# KiCad board main_board.kicad_pcb
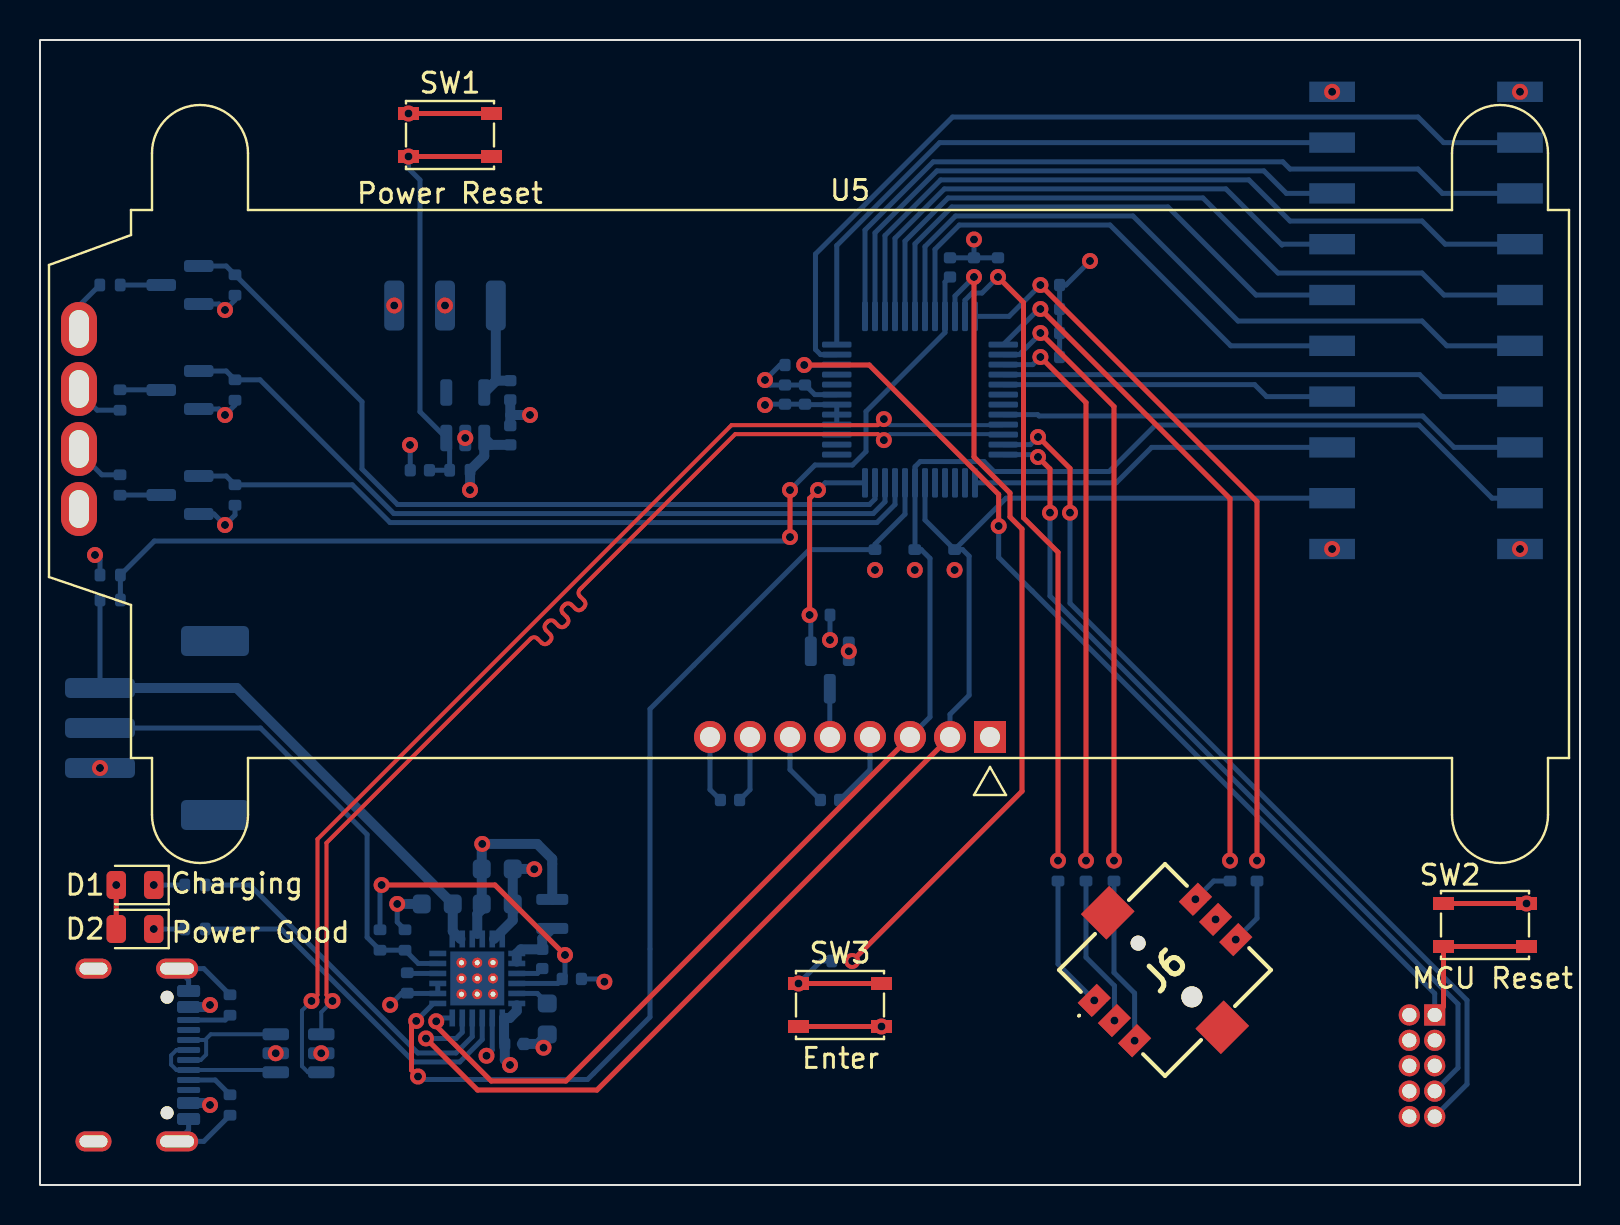
[diagram p0: board, top side]
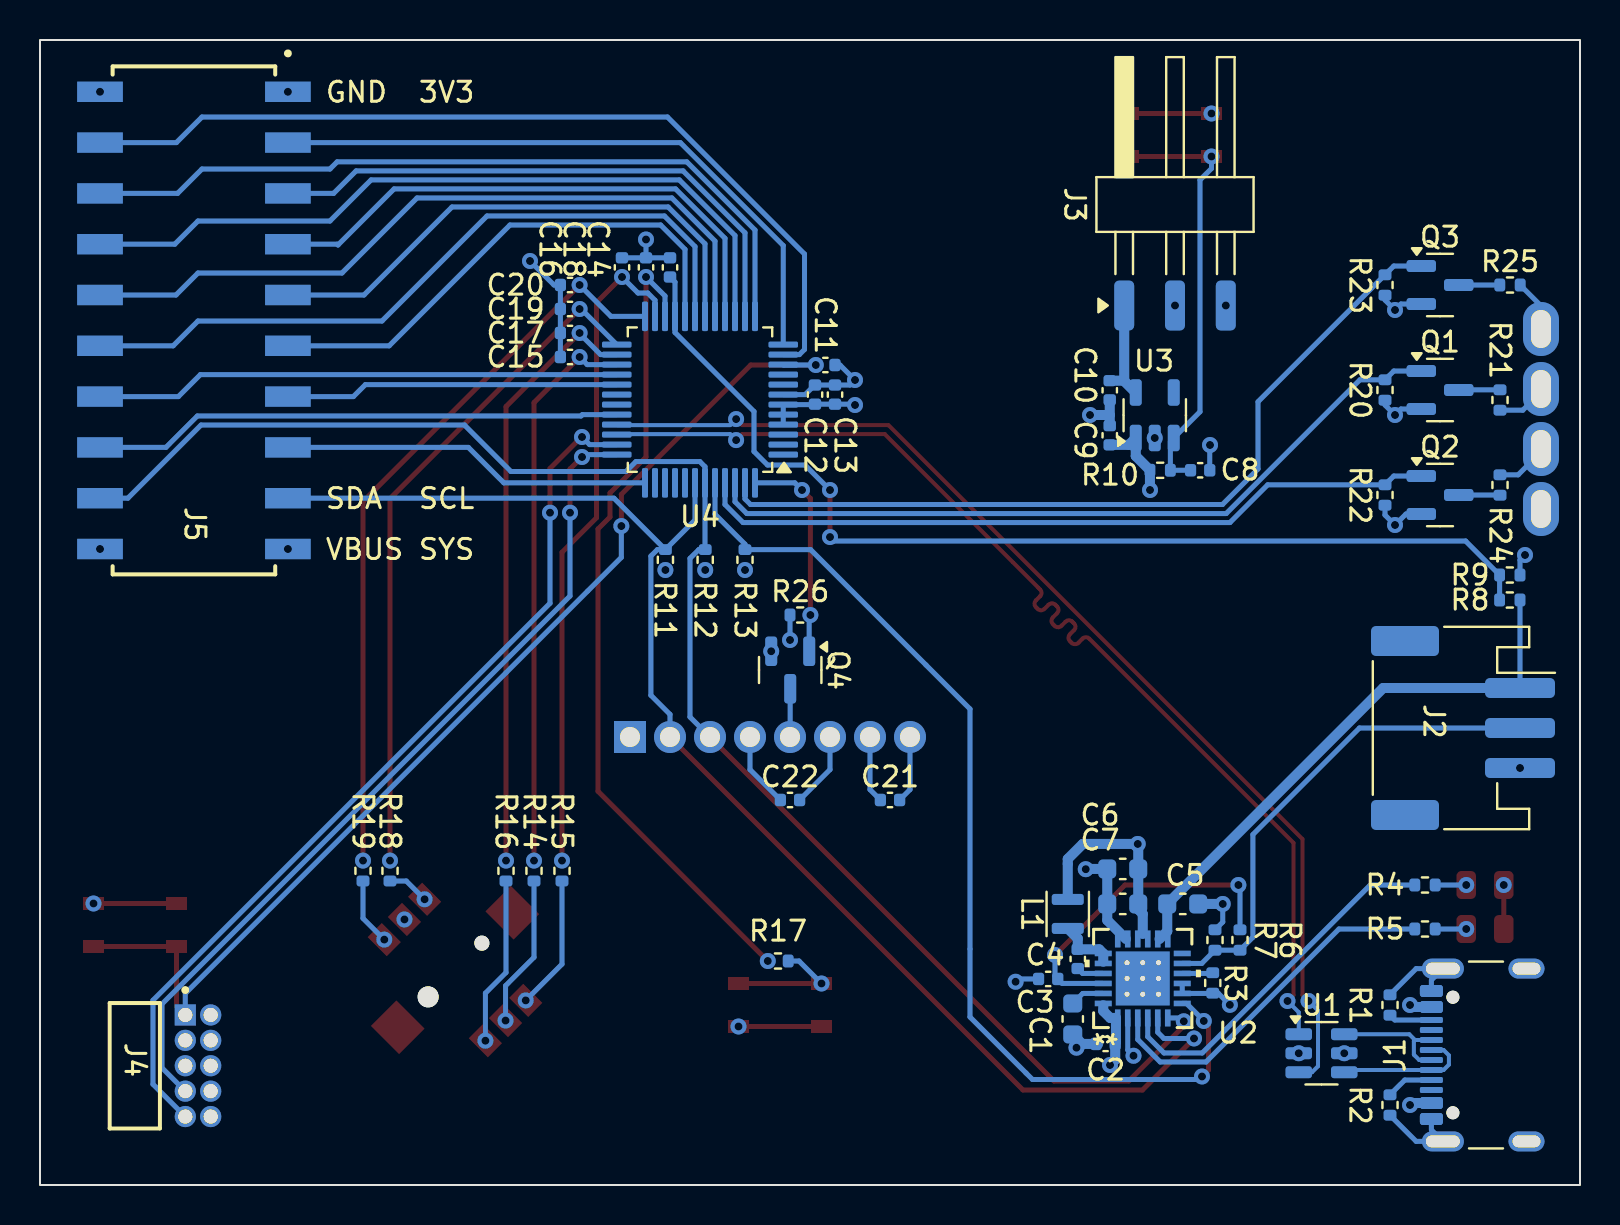
[diagram p1: board, bottom side, seen from below]

Outline 77 x 57.25 mm; copper layers: Top, Pwr.Cu (plane), Gnd.Cu (plane), Bottom. Coordinates in mm from the lower left corner of the outline.
Outline path: rectangle 0,57.25 77,0
Stack: Top 0.035mm / dielectric 0.1mm FR4 er 4.5 / Pwr.Cu 0.035mm / dielectric 1.24mm FR4 er 4.5 / Gnd.Cu 0.035mm / dielectric 0.1mm FR4 er 4.5 / Bottom 0.035mm

## Placement (name value [footprint] x y rotation side)
C1  10u  [C_0603_1608Metric]  25.36 8.3 270 bottom
C2  1u  [C_0402_1005Metric]  23.72 7.05 180 bottom
C3  4u7  [C_0402_1005Metric]  26.59 10.3 0 bottom
C4  47n  [C_0402_1005Metric]  25.11 11.3 270 bottom
C5  10u  [C_0603_1608Metric]  19.86 14.05 180 bottom
C6  10u  [C_0603_1608Metric]  22.86 15.8 180 bottom
C7  10u  [C_0603_1608Metric]  22.86 14.05 180 bottom
C8  1u  [C_0402_1005Metric]  18.99 35.74 180 bottom
C9  1u  [C_0402_1005Metric]  23.51 37.49 270 bottom
C10  1u  [C_0402_1005Metric]  23.51 39.74 90 bottom
C11  100n  [C_0402_1005Metric]  37.73 41 180 bottom
C12  4u7  [C_0402_1005Metric]  38.25 39.52 90 bottom
C13  100n  [C_0402_1005Metric]  37.25 39.52 90 bottom
C14  1u  [C_0402_1005Metric]  45.5 45.88 270 bottom
C15  470n  [C_0402_1005Metric]  50.5 41.4 0 bottom
C16  470n  [C_0402_1005Metric]  47.9 45.88 90 bottom
C17  470n  [C_0402_1005Metric]  50.5 42.6 180 bottom
C18  470n  [C_0402_1005Metric]  46.7 45.88 90 bottom
C19  470n  [C_0402_1005Metric]  50.5 43.8 0 bottom
C20  470n  [C_0402_1005Metric]  50.5 45 180 bottom
C21  1u  [C_0402_1005Metric]  34.5 19.25 180 bottom
C22  1u  [C_0402_1005Metric]  39.5 19.25 180 bottom
D1  Red  [LED_0805_2012Metric]  4.75 15 180 top
D2  Green  [LED_0805_2012Metric]  4.75 12.8 180 top
J1  USB_C_Receptacle_USB2.0_16P  [USB_C_Receptacle_GCT_USB4105-xx-A_16P_TopMnt_Horizontal]  3.75 6.5 90 bottom
J2  Conn_01x03  [JST_PH_S3B-PH-SM4-TB_1x03-1MP_P2.00mm_Horizontal]  5.85 22.85 270 bottom
J3  Conn_01x03  [Harwin_M20-89003xx_1x03_P2.54mm_Horizontal]  20.25 49.5 90 bottom
J4  Conn_02x05_Odd_Even  [SAMTEC_FTSH-105-01-L-D-RA-K]  69.74 8.5 90 bottom
J5  Conn_02x10_Odd_Even  [SAMTEC_SSM-110-F-DH]  69.3 43.23 90 bottom
J6  2434804-1  [TE_24348041]  56.25 10.75 45 top
L1  1uH  [L_Murata_DFE201610P]  25.61 13.55 90 bottom
Q1  AO3400A  [SOT-23]  7 39.75 180 bottom
Q2  AO3400A  [SOT-23]  7 34.5 180 bottom
Q3  AO3400A  [SOT-23]  7 45 180 bottom
Q4  AO3401A  [SOT-23]  39.49 25.75 270 bottom
R1  5k1  [R_0402_1005Metric]  9.5 9 270 bottom
R2  5k1  [R_0402_1005Metric]  9.5 4 90 bottom
R3  240  [R_0402_1005Metric]  18.36 10.1 90 bottom
R4  470  [R_0402_1005Metric]  7.75 15 0 bottom
R5  220  [R_0402_1005Metric]  7.75 12.8 0 bottom
R6  5k25 (5k23)  [R_0402_1005Metric]  17 12.25 270 bottom
R7  31k23 (31k6)  [R_0402_1005Metric]  18.25 12.25 90 bottom
R8  100k  [R_0402_1005Metric]  3.51 29.25 0 bottom
R9  200k  [R_0402_1005Metric]  3.51 30.5 180 bottom
R10  10k  [R_0402_1005Metric]  20.99 35.74 180 bottom
R11  10k  [R_0402_1005Metric]  45.73 31.26 90 bottom
R12  10k  [R_0402_1005Metric]  43.74 31.26 90 bottom
R13  10k  [R_0402_1005Metric]  41.75 31.26 90 bottom
R14  10k  [R_0402_1005Metric]  52.3 15.71 270 bottom
R15  10k  [R_0402_1005Metric]  50.9 15.71 270 bottom
R16  10k  [R_0402_1005Metric]  53.7 15.71 90 bottom
R17  10k  [R_0402_1005Metric]  40.1 11.2 0 bottom
R18  10k  [R_0402_1005Metric]  59.5 15.71 270 bottom
R19  10k  [R_0402_1005Metric]  60.85 15.71 270 bottom
R20  1M  [R_0402_1005Metric]  9.75 39.75 270 bottom
R21  20  [R_0402_1005Metric]  4 39.25 270 bottom
R22  1M  [R_0402_1005Metric]  9.75 34.5 270 bottom
R23  1M  [R_0402_1005Metric]  9.75 45 270 bottom
R24  20  [R_0402_1005Metric]  4 35 90 bottom
R25  70  [R_0402_1005Metric]  3.5 45 180 bottom
R26  1M  [R_0402_1005Metric]  38.99 28.5 180 bottom
SW1  SW_Push  [SW_SPST_PTS810]  20.5 52.5 0 top
SW2  SW_Push  [SW_SPST_PTS810]  72.25 13 0 top
SW3  SW_Push  [SW_SPST_PTS810]  40 9 0 top
U1  USBLC6-2SC6  [SOT-23-6]  12.92 6.59 180 bottom
U2  BQ24259RGER  [RGE24_2P7X2P7_TEX]  21.86 10.33 90 bottom
U3  TPS7A0533PDBV  [SOT-23-5]  21.26 38.49 90 bottom
U4  STM32G0B1CBTx  [LQFP-48_7x7mm_P0.5mm]  44 39.27 0 bottom
U5  NHD-C0220BIZ-FSRGB  [NHD-C0220BiZ-FSRGB_no_mount]  40.5 38.3 0 top

## Library data of the parts
C1 C5-C7 = -: Description: Unpolarized capacitor; JLCPCB: C19702; ki_fp_filters: C_*
C2 C8-C10 C14 C21 C22 = -: Description: Unpolarized capacitor; JLCPCB: C52923; ki_fp_filters: C_*
C3 = -: Description: Unpolarized capacitor; JLCPCB: C23733; ki_fp_filters: C_*
C4 = -: Description: Unpolarized capacitor; JLCPCB: C384812; ki_fp_filters: C_*
C11 C13 = -: Description: Unpolarized capacitor, small symbol; JLCPCB: C1525; ki_fp_filters: C_*
C12 = -: Description: Unpolarized capacitor, small symbol; JLCPCB: C23733; ki_fp_filters: C_*
C15-C20 = -: Description: Unpolarized capacitor; JLCPCB: C47339; ki_fp_filters: C_*
D1 = -: Description: Light emitting diode; JLCPCB: C2286; ki_fp_filters: LED* LED_SMD:* LED_THT:*
D2 = -: Description: Light emitting diode; JLCPCB: C72043; ki_fp_filters: LED* LED_SMD:* LED_THT:*
J1 = -: ki_fp_filters: USB*C*Receptacle*
J2 = -: ki_fp_filters: Connector*:*_1x??_*
J3 = -: Description: Generic connector, single row, 01x03, script generated (kicad-library-utils/schlib/autogen/connector/); Function: Optional external power supply: either connect LDO to 3V3, or connect ext to 3V3 and GND.; ki_fp_filters: Connector*:*_1x??_*
J4 = -: ki_fp_filters: Connector*:*_2x??_*
J5 = -: Description: Generic connector, double row, 02x10, odd/even pin numbering scheme (row 1 odd numbers, row 2 even numbers), script generated (kicad-library-utils/schlib/autogen/connector/); ki_fp_filters: Connector*:*_2x??_*
J6 = -: Datasheet: https://www.te.com/commerce/DocumentDelivery/DDEController?Action=srchrtrv&DocNm=alcoswitch-tactile-switches&DocType=Data%20Sheet&DocLang=English&PartCntxt=2434804-1&DocFormat=pdf; Description: Body Features: Actuator Color Black | Actuator Force 8.46  12.7 OZ | Actuator Force 240  360 G | Case Color Black | Actuator Material PPA | Cover Material Stainless Steel | Actuator Profile Extended | Product Orientation Vertical | Case Material Stainless Steel | Configuration Features: Number of Actuators Single | Configuration (Pole-Throw) Single Pole - Five Throw | Switch Feedback Type Tactile | ESD Grounding Terminal Without | Ganged With | Support Bracket Without | Operating Function NO | Contact; Height: 5.7; Manufacturer_Name: TE Connectivity
L1 = -: Description: Inductor; ki_fp_filters: Choke_* *Coil* Inductor_* L_*
Q1-Q4 U1 U3 = -: ki_fp_filters: SOT?23*
R1 R2 = -: Description: Resistor; JLCPCB: C25905; ki_fp_filters: R_*
R3 R5 = -: Description: Resistor; JLCPCB: C25091; ki_fp_filters: R_*
R4 = -: Description: Resistor; JLCPCB: C25117; ki_fp_filters: R_*
R6 = -: Description: Resistor; JLCPCB: C852857; ki_fp_filters: R_*
R7 = -: Description: Resistor; JLCPCB: C852720; ki_fp_filters: R_*
R8 = -: Description: Resistor; JLCPCB: C25741; ki_fp_filters: R_*
R9 = -: Description: Resistor; JLCPCB: C25764; ki_fp_filters: R_*
R10-R19 = -: Description: Resistor; JLCPCB: C25744; ki_fp_filters: R_*
R20 R22 R23 R26 = -: Description: Resistor; JLCPCB: C26083; ki_fp_filters: R_*
R21 R24 = -: Description: Resistor; JLCPCB: C25092; ki_fp_filters: R_*
R25 = -: Description: Resistor; JLCPCB: C25133; ki_fp_filters: R_*
SW1 = -: Description: Push button switch, generic, two pins; Function: 3V3 LDO reset
SW2 SW3 = -: Description: Push button switch, generic, two pins
U2 = -: ki_fp_filters: RGE24_2P7X2P7_TEX
U4 = -: ki_fp_filters: LQFP*7x7mm*P0.5mm*
U5 = -: ki_fp_filters: NHD?C0220BiZ?FSRGB*

## Footprints (pads in the part's own frame, mm; a bottom-side part is the same pattern mirrored in y, then rotated)
C_0402_1005Metric
  rrect 0.56x0.62 smd: 1(-0.48,0) 2(0.48,0)
C_0603_1608Metric
  rrect 0.9x0.95 smd: 1(-0.775,0) 2(0.775,0)
Harwin_M20-89003xx_1x03_P2.54mm_Horizontal
  rrect 2.5x1 smd: 1(-5.525,2.54) 2(-5.525,0) 3(-5.525,-2.54)
JST_PH_S3B-PH-SM4-TB_1x03-1MP_P2.00mm_Horizontal
  rrect 1x3.5 smd: 1(-2,2.85) 2(0,2.85) 3(2,2.85)
  rrect 1.5x3.4 smd: MP(-4.35,-2.9) MP(4.35,-2.9)
L_Murata_DFE201610P
  rrect 0.55x1.6 smd: 1(-0.725,0) 2(0.725,0)
LED_0805_2012Metric
  rrect 0.975x1.4 smd: 1(-0.938,0) 2(0.938,0)
LQFP-48_7x7mm_P0.5mm
  rrect 1.475x0.3 smd: 1(-4.162,2.75) 2(-4.162,2.25) 3(-4.162,1.75) 4(-4.162,1.25) 5(-4.162,0.75) 6(-4.162,0.25) 7(-4.162,-0.25) 8(-4.162,-0.75) 9(-4.162,-1.25) 10(-4.162,-1.75) 11(-4.162,-2.25) 12(-4.162,-2.75) 25(4.162,-2.75) 26(4.162,-2.25) 27(4.162,-1.75) 28(4.162,-1.25) 29(4.162,-0.75) 30(4.162,-0.25) 31(4.162,0.25) 32(4.162,0.75) 33(4.162,1.25) 34(4.162,1.75) 35(4.162,2.25) 36(4.162,2.75)
  rrect 0.3x1.475 smd: 13(-2.75,-4.162) 14(-2.25,-4.162) 15(-1.75,-4.162) 16(-1.25,-4.162) 17(-0.75,-4.162) 18(-0.25,-4.162) 19(0.25,-4.162) 20(0.75,-4.162) 21(1.25,-4.162) 22(1.75,-4.162) 23(2.25,-4.162) 24(2.75,-4.162) 37(2.75,4.162) 38(2.25,4.162) 39(1.75,4.162) 40(1.25,4.162) 41(0.75,4.162) 42(0.25,4.162) 43(-0.25,4.162) 44(-0.75,4.162) 45(-1.25,4.162) 46(-1.75,4.162) 47(-2.25,4.162) 48(-2.75,4.162)
NHD-C0220BiZ-FSRGB_no_mount
  rect 1.6x1.6 hole 1: 1(7,-15.9)
  round 1.6 hole 1: 2(5,-15.9) 3(3,-15.9) 4(1,-15.9) 5(-1,-15.9) 6(-3,-15.9) 7(-5,-15.9) 8(-7,-15.9)
  oval 1.8x2.7 hole 1x1.9: 9(-38.55,-4.5) 10(-38.55,-1.5) 11(-38.55,1.5) 12(-38.55,4.5)
R_0402_1005Metric
  rrect 0.54x0.64 smd: 1(-0.51,0) 2(0.51,0)
RGE24_2P7X2P7_TEX
  rect 0.85x0.28 smd: 1(-1.975,1.25) 2(-1.975,0.75) 3(-1.975,0.25) 4(-1.975,-0.25) 5(-1.975,-0.75) 6(-1.975,-1.25) 13(1.975,-1.25) 14(1.975,-0.75) 15(1.975,-0.25) 16(1.975,0.25) 17(1.975,0.75) 18(1.975,1.25)
  rect 0.28x0.85 smd: 7(-1.25,-1.975) 8(-0.75,-1.975) 9(-0.25,-1.975) 10(0.25,-1.975) 11(0.75,-1.975) 12(1.25,-1.975) 19(1.25,1.975) 20(0.75,1.975) 21(0.25,1.975) 22(-0.25,1.975) 23(-0.75,1.975) 24(-1.25,1.975)
  rect 2.7x2.7 smd: 25(0,0)
  round 0.508 hole 0.254: V(-0.787,-0.787) V(-0.787,0) V(-0.787,0.787) V(0,-0.787) V(0,0) V(0,0.787) V(0.787,-0.787) V(0.787,0) V(0.787,0.787)
SAMTEC_FTSH-105-01-L-D-RA-K
  rect 1.06x1.06 hole 0.71: 1(0,0)
  round 1.06 hole 0.71: 2(0,-1.27) 3(-1.27,0) 4(-1.27,-1.27) 5(-2.54,0) 6(-2.54,-1.27) 7(-3.81,0) 8(-3.81,-1.27) 9(-5.08,0) 10(-5.08,-1.27)
SAMTEC_SSM-110-F-DH
  rect 1.02x2.285 smd: 1(11.43,-4.697) 2(11.43,4.697) 3(8.89,-4.697) 4(8.89,4.697) 5(6.35,-4.697) 6(6.35,4.697) 7(3.81,-4.697) 8(3.81,4.697) 9(1.27,-4.697) 10(1.27,4.697) 11(-1.27,-4.697) 12(-1.27,4.697) 13(-3.81,-4.697) 14(-3.81,4.697) 15(-6.35,-4.697) 16(-6.35,4.697) 17(-8.89,-4.697) 18(-8.89,4.697) 19(-11.43,-4.697) 20(-11.43,4.697)
SOT-23
  rrect 1.475x0.6 smd: 1(-0.938,0.95) 2(-0.938,-0.95) 3(0.938,0)
SOT-23-5
  rrect 1.325x0.6 smd: 1(-1.137,0.95) 2(-1.137,0) 3(-1.137,-0.95) 4(1.137,-0.95) 5(1.137,0.95)
SOT-23-6
  rrect 1.325x0.6 smd: 1(-1.137,0.95) 2(-1.137,0) 3(-1.137,-0.95) 4(1.137,-0.95) 5(1.137,0) 6(1.137,0.95)
SW_SPST_PTS810
  rect 1.05x0.65 smd: 1(-2.075,1.075) 1(2.075,1.075) 2(-2.075,-1.075) 2(2.075,-1.075)
TE_24348041
  round 0.75 hole 0.75 unplated: (0,1.9)
  round 1.05 hole 1.05 unplated: (0,-1.9)
  rect 1.35x1 smd: 1(-3.575,1.425) 2(-3.575,0) 3(-3.575,-1.425) 4(3.575,1.425) 5(3.575,0) 6(3.575,-1.425)
  rect 2x1.8 smd: MP1(0,4.05) MP2(0,-4.05)
USB_C_Receptacle_GCT_USB4105-xx-A_16P_TopMnt_Horizontal
  round 0.65 hole 0.65 unplated: (-2.89,2.605) (2.89,2.605)
  rrect 0.6x1.15 smd: A1(-3.2,3.68) A4(-2.4,3.68) A9(2.4,3.68) A12(3.2,3.68) B1(3.2,3.68) B4(2.4,3.68) B9(-2.4,3.68) B12(-3.2,3.68)
  rrect 0.3x1.15 smd: A5(-1.25,3.68) A6(-0.25,3.68) A7(0.25,3.68) A8(1.25,3.68) B5(1.75,3.68) B6(0.75,3.68) B7(-0.75,3.68) B8(-1.75,3.68)
  oval 1x1.8 hole 0.6x1.4: S1(-4.32,-1.075) S1(4.32,-1.075)
  oval 1x2.1 hole 0.6x1.7: S1(-4.32,3.105) S1(4.32,3.105)

## Nets
/MCU/3V3: C12.1 C13.1 J3.2 J4.10 J5.1 Q4.2 R11.1 R12.1 R13.1 U4.4 U4.5 U4.6 U5.1 U5.9
/MCU/VBAT: C14.2 R8.2 R9.1 U4.21
/MCU/VBUS: C2.2 J1.A4 J1.A9 J1.B4 J1.B9 J5.20 U1.5 U2.1 U2.24
GND: C1.2 C2.1 C3.2 C5.2 C6.1 C7.1 C8.2 C9.1 C10.1 C11.2 C12.2 C13.2 C14.1 C15.2 C16.2 C17.1 C18.2 C19.2 C20.1 C22.1 J1.A1 J1.A12 J1.B1 J1.B12 J1.S1 J2.3 J3.3 J4.6 J4.8 J5.2 J6.5 Q1.2 Q2.2 Q3.2 R1.1 R2.1 R3.1 R7.2 R9.2 R20.2 R22.2 R23.2 R26.1 SW1.1 SW2.1 SW3.2 U1.2 U2.2 U2.8 U2.9 U2.17 U2.18 U2.25 U2.V U3.2 U4.7 U5.4
/MCU/BLUE: Q2.1 R22.1 U4.45
/MCU/BUTTON: C18.1 R17.2 U4.22
/MCU/CENTER: C15.1 R14.1 U4.27
/MCU/CHARGER_INT: R13.2 U2.7 U4.44
/MCU/D+: U1.1 U4.34
/MCU/D-: U1.3 U4.33
/MCU/DIR_A: C16.1 R15.1 U4.23
/MCU/DIR_B: C19.1 R18.1 U4.25
/MCU/DIR_C: C17.2 R16.2 U4.26
/MCU/DIR_D: C20.2 R19.1 U4.24
/MCU/GREEN: Q1.1 R20.1 U4.46
/MCU/LCD_PWR_CTL: Q4.1 R26.2 U4.48
/MCU/NRST: C11.1 J4.1 SW2.2 U4.10
/MCU/PA0: J5.4 U4.11
/MCU/PA1: J5.3 U4.12
/MCU/PA2: J5.6 U4.13
/MCU/PA3: J5.5 U4.14
/MCU/PA4: J5.8 U4.15
/MCU/PA5: J5.7 U4.16
/MCU/PA6: J5.10 U4.17
/MCU/PA7: J5.9 U4.18
/MCU/PA8: J5.14 U4.28
/MCU/PA9: J5.13 U4.29
/MCU/PA10: J5.16 U4.32
/MCU/PA15: J5.15 U4.37
/MCU/PB0: J5.12 U4.19
/MCU/PB1: J5.11 U4.20
/MCU/RED: Q3.1 R23.1 U4.47
/MCU/SCL: J5.17 R11.2 U2.5 U4.42 U5.2
/MCU/SDA: J5.18 R12.2 U2.6 U4.43 U5.3
/MCU/SYS_SWCLK: J4.7 U4.36
/MCU/SYS_SWDIO: J4.9 U4.35
/Power/BAT_TS: J2.2 R6.2 R7.1 U2.11
/Power/BATTERY: C5.1 J2.1 R8.1 U2.13 U2.14
/Power/SW: C4.1 L1.1 U2.19 U2.20
/Power/SYS: C6.2 C7.2 C9.2 D1.2 D2.2 J5.19 L1.2 R10.1 U2.15 U2.16 U3.1
/Power/USBCONN_D+: J1.A6 J1.B6 U1.6
/Power/USBCONN_D-: J1.A7 J1.B7 U1.4
Net-(D1-K): D1.1 R4.1
Net-(D2-K): D2.1 R5.1
Net-(J1-CC1): J1.A5 R2.2
Net-(J1-CC2): J1.B5 R1.2
Net-(J3-Pin_1): C10.2 J3.1 U3.5
Net-(J6-A): J6.1 R15.2
Net-(J6-B): J6.4 R18.2
Net-(J6-C): J6.3 R16.1
Net-(J6-CENTER): J6.2 R14.2
Net-(J6-D): J6.6 R19.2
Net-(Q1-D): Q1.3 R21.1
Net-(Q2-D): Q2.3 R24.1
Net-(Q3-D): Q3.3 R25.1
Net-(Q4-D): Q4.3 U5.5
Net-(R17-Pad1): R17.1 SW3.1
Net-(U2-BTST): C4.2 U2.21
Net-(U2-ILIM): R3.2 U2.10
Net-(U2-PMID): C1.1 U2.23
Net-(U2-REGN): C3.1 R6.1 U2.22
Net-(U2-STAT): R4.2 U2.4
Net-(U2-~{PG}): R5.2 U2.3
Net-(U3-EN): C8.1 R10.2 SW1.2 U3.3
Net-(U5-(B)LED-): R24.2 U5.10
Net-(U5-(G)LED-): R21.2 U5.11
Net-(U5-(R)LED-): R25.2 U5.12
Net-(U5-C1+): C21.1 U5.7
Net-(U5-C1-): C21.2 U5.8
Net-(U5-V_{out}): C22.2 U5.6

Pads without a net: J1 A8 B8; J2 MP; J4 2 3 4 5; J6 MP1 MP2; U2 12; U3 4; U4 1 2 3 8 9 30 31 38 39 40 41

## Via types
v1: diameter 0.8, hole 0.4, Top to Bottom, 82 vias

## Routing (per net, layer and track width the routed paths; a pad name or vN(x,y) marks a point on that pad's centre or on a via; arc(x,y) is an arc through that point)
/MCU/3V3: length 4.6
  Bottom w0.25: v1(36.25,39) 36.29,39.04 C13.1 C12.1 38.27,39.02 U4.6 U4.5 U4.4
  vias: v1(20.25,43.98) v1(40.44,26.69) v1(41.75,30.75) v1(43.74,30.75) v1(45.73,30.75) v1(64.61,54.66)
/MCU/VBAT: length 52.9
  Top w0.25: v1(37.5,34.75) v1(37.5,32.4)
  Bottom w0.25: R8.2 R9.1 5.72,32.2 37.3,32.2 v1(37.5,32.4) ; v1(37.5,34.75) 38.75,36 40.62,36 41.3,36.68 41.3,38.68 45.25,42.63 U4.21 45.25,45.15 C14.2
/MCU/VBUS: length 113.8
  Pwr.Cu w0.5: v1(8.5,4) 8.5,6.6 ; 8.5,6.6 8.51,6.59 v1(11.79,6.59) 13.8,4.57 22.07,4.57 ; 8.5,6.6 v1(8.5,9) ; v1(74,31.8) 76.35,29.45 76.35,2.45 74.9,1 25.65,1 22.07,4.57 ; 22.07,4.57 v1(23.5,6)
  Bottom w0.5: 23.84,8.99 23.84,8.7 23.49,8.35 23.2,8.35 23.2,7.12 ; C2.2 23.24,6.26 v1(23.5,6) ; J1.A4 8.4,4.1 v1(8.5,4) ; J1.A9 8.4,8.9 v1(8.5,9)
GND: length 68.7
  Top w0.25: v1(42.08,7.92) SW3.2 ; v1(74.32,14.08) SW2.1 ; SW1.1 v1(18.42,53.58)
  Bottom w0.25: U4.7 38.74,39.52 38.26,40 ; C11.2 37,41 v1(36.25,40.25) 36.5,40 C13.2 C12.2 ; 74,54.75 v1(74,54.66) ; J1.A1 7.43,2.75 J1.S1 8.19,2.18 R2.1 ; R1.1 8.19,10.82 J1.S1 7.43,10.25 J1.A12 ; U2.2 22.61,6.75 v1(22.32,6.46) ; v1(52.5,46.2) 51.3,45 C20.1 C19.2 C17.1 C15.2 ; R20.2 9.75,39 v1(9.25,38.5) 8.95,38.8 Q1.2 ; Q2.2 8.7,33.55 v1(9.25,33) 9.75,33.5 R22.2 ; C8.2 18.51,36.99 v1(18.5,37) ; v1(17.51,9.01) 18.09,9.59 R3.1 18.38,9.58 U2.8 U2.9 ; v1(17.86,14.05) 17.86,13.15 R7.2 ; v1(2.75,31.5) 3,31.25 R9.2 ; 41.5,22.25 41.5,20.77 C22.1 ; C18.2 C16.2 ; C18.2 C14.1 ; C18.2 v1(46.7,47.27) ; Q3.2 8.95,44.05 v1(9.25,43.75) 9.75,44.25 R23.2 ; C3.2 28.08,10.3 v1(28.22,10.16) ; R26.1 v1(39.5,27.25) ; 42,8 v1(42.08,7.92)
  Bottom w0.5: 24.89,7.05 25.07,6.86 v1(25.18,6.86) ; 24.89,7.05 24.09,7.05 ; 24.89,7.05 C1.2 ; 23.51,38.5 v1(24.5,38.5) ; 23.51,38.5 C9.1 ; 23.51,38.5 C10.1 ; 22.7,12.3 23.64,13.24 C7.1 C6.1 24.7,15.8 v1(24.71,15.79) ; C5.2 v1(17.86,14.05)
  vias: v1(3,20.85) v1(14.06,6.59) v1(17.71,43.98) v1(21.26,37.35) v1(58.78,13.28)
/MCU/BLUE: length 37.2
  Bottom w0.25: Q2.1 9.31,35.45 R22.1 15.61,35.01 17.5,33.12 41.85,33.12 42.75,34.03 U4.45
/MCU/BUTTON: length 41.2
  Top w0.25: v1(46.7,45.4) 46.7,36.4 48.5,34.6 48.5,33.4 49.1,32.8 49.1,19.69 v1(40.61,11.2) 40.5,11.2
  Bottom w0.25: v1(46.7,45.4) 45.75,44.45 U4.22
/MCU/CENTER: length 28.1
  Top w0.25: v1(50.02,41.4) 52.3,39.12 v1(52.3,16.22)
  Bottom w0.25: U4.27 49.64,41.02 v1(50.02,41.4)
/MCU/CHARGER_INT: length 51.3
  Top w0.25: v1(18.81,8.2) 18.57,7.96 18.57,5.75 v1(18.9,5.43)
  Bottom w0.25: v1(18.81,8.2) 18.81,8.21 19.67,9.08 U2.7 ; v1(18.9,5.43) 19.05,5.27 27.37,5.27 30.5,8.4 30.5,23.8 38.47,31.77 R13.2 41.75,32.04 43.25,33.54 U4.44
/MCU/D+: length 55.9
  Top w0.2: v1(14.62,9.2) 14.33,9.5 14.33,17.11 24.53,27.32 arc(24.7,27.39) 24.87,27.32 25.08,27.11 arc(25.25,27.04) 25.42,27.11 25.5,27.19 arc(25.58,27.36) 25.5,27.53 25.3,27.74 arc(25.23,27.91) 25.3,28.08 25.38,28.16 arc(25.55,28.24) 25.72,28.16 25.93,27.96 arc(26.1,27.89) 26.27,27.96 26.35,28.04 arc(26.42,28.21) 26.35,28.38 26.15,28.59 arc(26.08,28.76) 26.15,28.93 26.23,29.01 arc(26.4,29.08) 26.57,29.01 26.78,28.81 arc(26.95,28.74) 27.12,28.81 27.2,28.89 arc(27.27,29.06) 27.2,29.23 27,29.44 arc(26.93,29.61) 27,29.78 28.35,31.13 34.76,37.54 41.89,37.54 v1(42.19,37.24)
  Bottom w0.2: v1(42.19,37.24) 42.49,37.54 48.14,37.54 U4.34 ; U1.1 14.06,8.64 v1(14.62,9.2)
/MCU/D-: length 55.9
  Top w0.2: v1(42.19,38.3) 41.89,38 34.58,38 13.87,17.29 13.87,9.5 v1(13.58,9.2)
  Bottom w0.2: v1(42.19,38.3) 42.49,38 48.14,38 U4.33 ; U1.3 13.4,5.64 13.1,5.94 13.1,8.72 v1(13.58,9.2)
/MCU/DIR_A: length 33.4
  Top w0.25: v1(50.9,16.22) 50.9,31.64 49.17,33.36 49.17,44.13 v1(47.9,45.4)
  Bottom w0.25: U4.23 46.25,44.24 46.61,44.6 47.1,44.6 v1(47.9,45.4)
/MCU/DIR_B: length 34.1
  Top w0.25: v1(50.02,43.8) 59.5,34.32 v1(59.5,16.22)
  Bottom w0.25: v1(50.02,43.8) 49.94,43.8 U4.25
/MCU/DIR_C: length 30.2
  Top w0.25: v1(53.7,16.22) 53.7,38.92 v1(50.02,42.6)
  Bottom w0.25: v1(50.02,42.6) 50.02,42.57 48.97,41.52 U4.26
/MCU/DIR_D: length 37.2
  Top w0.25: v1(50.02,45) 60.85,34.17 v1(60.85,16.22)
  Bottom w0.25: v1(50.02,45) 48.45,43.43 U4.24
/MCU/GREEN: length 38.5
  Bottom w0.25: Q1.1 9.31,40.7 R20.1 11,40.26 17.69,33.57 41.66,33.57 42.25,34.16 U4.46
/MCU/LCD_PWR_CTL: length 10.7
  Top w0.25: v1(38.9,34.75) 38.48,34.33 v1(38.48,28.5)
  Bottom w0.25: Q4.1 38.54,28.44 ; v1(38.9,34.75) 39.26,35.11 U4.48
/MCU/NRST: length 56.9
  Top w0.25: SW2.2 SW2.2 70.18,8.94 J4.1 ; v1(38.21,41) 41.46,41 47.93,34.53 v1(47.93,32.95)
  Bottom w0.25: v1(38.21,41) 39.82,41 U4.10 ; J4.1 69.74,9.58 47.93,31.38 v1(47.93,32.95)
/MCU/PA0: length 44.5
  Bottom w0.25: J5.4 70.18,52.12 68.9,53.4 45.63,53.4 38.77,46.55 38.77,41.78 39.03,41.52 U4.11
/MCU/PA1: length 31.9
  Bottom w0.25: U4.12 39.84,46.97 44.98,52.12 J5.3
/MCU/PA2: length 39.1
  Bottom w0.25: J5.6 70.12,49.58 68.9,50.8 62.5,50.8 62.14,51.16 44.66,51.16 41.25,47.75 U4.13
/MCU/PA3: length 28.8
  Bottom w0.25: U4.14 41.75,47.61 44.85,50.71 61.19,50.71 62.32,49.58 J5.5
/MCU/PA4: length 38.3
  Bottom w0.25: J5.8 70.26,47.04 69.1,48.2 62.5,48.2 60.44,50.26 45.03,50.26 42.25,47.47 U4.15
/MCU/PA5: length 28
  Bottom w0.25: U4.16 42.75,47.33 45.22,49.8 59.3,49.8 62.1,47 62.14,47.04 J5.7
/MCU/PA6: length 37.4
  Bottom w0.25: U4.17 43.25,47.2 45.41,49.35 58.15,49.35 61.9,45.6 69.1,45.6 70.2,44.5 J5.10
/MCU/PA7: length 27.1
  Bottom w0.25: U4.18 43.75,47.06 45.59,48.9 56.4,48.9 60.8,44.5 J5.9
/MCU/PA8: length 26.3
  Bottom w0.25: J5.14 70.08,39.42 68.98,40.52 U4.28
/MCU/PA9: length 16.7
  Bottom w0.25: U4.29 60.73,40.02 61.33,39.42 J5.13
/MCU/PA10: length 26.5
  Bottom w0.25: U4.32 49.88,38.52 49.95,38.45 69.13,38.45 70.7,36.88 J5.16
/MCU/PA15: length 18.6
  Bottom w0.25: J5.15 55.58,36.88 53.81,35.11 U4.37
/MCU/PB0: length 36.6
  Bottom w0.25: U4.19 44.25,46.92 45.78,48.45 54.65,48.45 59.9,43.2 69.1,43.2 70.34,41.96 J5.12
/MCU/PB1: length 26.2
  Bottom w0.25: U4.20 44.75,46.78 45.97,48 53.5,48 59.54,41.96 J5.11
/MCU/RED: length 41.6
  Bottom w0.25: U4.47 41.75,34.3 41.47,34.02 17.88,34.02 16.1,35.8 16.1,39.16 R23.1 9.31,45.95 Q3.1
/MCU/SCL: length 71.4
  Top w0.25: U5.2 27.85,4.75 21.88,4.75 v1(19.3,7.33)
  Bottom w0.25: v1(19.3,7.33) 20.8,7.33 21.11,7.64 U2.5 ; R11.2 44.25,33.25 U4.42 ; R11.2 46.13,31.77 46.46,31.44 46.46,24.49 45.5,23.53 U5.2 ; R11.2 48.3,34.34 J5.17
/MCU/SDA: length 80.5
  Top w0.25: U5.3 26.3,5.2 22.56,5.2 19.81,7.95 v1(19.81,8.19)
  Bottom w0.25: U2.6 19.98,8.35 v1(19.81,8.19) ; 43.75,31.78 U4.43 43.75,35.91 44.01,36.17 47.2,36.17 47.7,35.67 53.45,35.67 55.78,38 68.95,38 72.61,34.34 J5.18 ; U5.3 44.5,23.4 44.5,31.33 44.06,31.77 R12.2
/MCU/SYS_SWCLK: length 42.7
  Top w0.25: v1(49.9,36.4) 50.5,35.8 v1(50.5,33.61)
  Bottom w0.25: v1(50.5,33.61) 50.5,29.45 70.9,9.05 70.9,5.86 J4.7 ; U4.36 49.78,36.52 v1(49.9,36.4)
/MCU/SYS_SWDIO: length 45.4
  Top w0.25: v1(51.5,33.61) 51.5,35.83 49.93,37.4 v1(49.9,37.4)
  Bottom w0.25: U4.35 49.52,37.02 v1(49.9,37.4) ; v1(51.5,33.61) 51.5,29.09 71.35,9.24 71.35,5.04 J4.9
/Power/BAT_TS: length 24.8
  Bottom w0.25: U2.11 18.91,11.08 R7.1 R6.2 16.36,12.39 16.36,17.52 11.03,22.85 J2.2
/Power/BATTERY: length 28.4
  Bottom w0.25: R8.1 J2.1
  Bottom w0.5: J2.1 9.84,24.85 C5.1 20.64,12.69 21.02,12.3
/Power/SW: length 3
  Bottom w0.5: 23.84,11.17 U2.19 24.04,11.78 C4.1 25.11,12.33 L1.1
/Power/SYS: length 156.6
  Top w0.25: v1(3.81,15) D2.2
  Pwr.Cu w0.25: v1(22.11,17.05) 21.06,16 4.81,16 v1(3.81,15)
  Pwr.Cu w0.5: v1(22.11,17.05) 22.11,18.8 ; 22.11,18.8 28.45,18.8 29.7,17.55 29.7,2.95 30.7,1.95 74.45,1.95 75.35,2.85 75.35,21.05 64.61,31.8 v1(64.61,31.8) ; 22.11,18.8 22.11,34.14 v1(21.5,34.75)
  Bottom w0.5: 21.86,12.55 21.86,13.55 22.09,13.78 C7.2 C6.2 22.09,17.03 v1(22.11,17.05) 24.86,17.05 25.61,16.3 L1.2 ; v1(21.5,34.75) 21.5,34.75 R10.1 22.21,36.45 U3.1 22.55,37.01 C9.2
/Power/USBCONN_D+: length 6.2
  Bottom w0.2: J1.A6 8.04,6.25 8.31,6.52 8.31,7.19 8.25,7.25 ; J1.B6 8.25,7.25 ; 8.25,7.25 8.54,7.54 U1.6
/Power/USBCONN_D-: length 6.8
  Bottom w0.2: J1.A7 6.82,6.75 6.55,6.48 6.55,6.02 6.82,5.75 J1.B7 11.67,5.75 U1.4
Net-(D1-K): length 1.6
  Bottom w0.25: R4.1 v1(5.69,15)
Net-(D2-K): length 1.6
  Bottom w0.25: R5.1 v1(5.69,12.8)
Net-(J1-CC1): length 2.4
  Bottom w0.25: J1.A5 8.76,5.25 R2.2
Net-(J1-CC2): length 2.2
  Bottom w0.25: R1.2 9.26,8.25 J1.B5
Net-(J3-Pin_1): length 6.1
  Bottom w0.5: C10.2 22.8,40.22 U3.5 22.79,40.2 J3.1
Net-(J6-A): length 6.7
  Bottom w0.25: R15.2 50.9,11.04 v1(52.71,9.23)
Net-(J6-B): length 2.1
  Bottom w0.25: R18.2 58.68,15.2 v1(57.77,14.29)
Net-(J6-C): length 8.4
  Bottom w0.25: v1(54.73,7.21) 54.73,9.59 53.7,10.62 R16.1
Net-(J6-CENTER): length 7.6
  Bottom w0.25: v1(53.72,8.22) 53.72,9.96 52.3,11.38 R14.2
Net-(J6-D): length 3.4
  Bottom w0.25: v1(59.79,12.27) 60.85,13.33 R19.2
Net-(Q1-D): length 2.1
  Bottom w0.25: R21.1 6.05,39.76
Net-(Q2-D): length 2.1
  Bottom w0.25: Q2.3 4.01,34.5
Net-(Q3-D): length 2.1
  Bottom w0.25: Q3.3 R25.1
Net-(Q4-D): length 2.6
  Bottom w0.25: Q4.3 39.49,22.26
Net-(R17-Pad1): length 6.3
  Top w0.25: SW3.1 v1(37.92,10.08)
  Bottom w0.25: R17.1 39.05,11.2 v1(37.92,10.08)
Net-(U2-BTST): length 1.4
  Bottom w0.25: U2.21 24.87,10.58 C4.2
Net-(U2-ILIM): length 1.5
  Bottom w0.25: U2.10 18.39,10.58
Net-(U2-PMID): length 1.7
  Bottom w0.25: U2.23 24.86,9.58 C1.1
Net-(U2-REGN): length 16.5
  Top w0.25: v1(17.08,15) 22.75,15 v1(26.25,11.5)
  Bottom w0.25: U2.22 25.89,10.08 C3.1 26.25,10.44 v1(26.25,11.5) ; v1(17.08,15) 17,14.92 R6.1
Net-(U2-STAT): length 18.1
  Bottom w0.25: R4.2 10.49,15 18.89,6.6 20.8,6.6 21.61,7.41 U2.4
Net-(U2-~{PG}): length 18.1
  Bottom w0.25: U2.3 22.11,7.28 20.99,6.15 18.7,6.15 12.05,12.8 R5.2
Net-(U3-EN): length 21.5
  Top w0.25: SW1.2 v1(18.42,51.42)
  Bottom w0.25: v1(18.42,51.42) 18.42,50.83 19,50.25 19,38.66 U3.3 ; C8.1 R10.2 20.48,37.18
Net-(U5-(B)LED-): length 2.5
  Bottom w0.25: R24.2 3.09,35.51 1.95,36.65
Net-(U5-(G)LED-): length 2.4
  Bottom w0.25: 1.95,39.65 2.86,38.74 R21.2
Net-(U5-(R)LED-): length 2.8
  Bottom w0.25: 1.95,42.65 1.95,43.96 R25.2
Net-(U5-C1+): length 3.2
  Bottom w0.25: C21.1 35.5,19.77 35.5,22.25
Net-(U5-C1-): length 3.2
  Bottom w0.25: 33.5,22.25 33.5,19.77 C21.2
Net-(U5-V_{out}): length 3.6
  Bottom w0.25: 37.5,22.25 37.5,20.77 C22.2

## Copper pours and planes (outline as drawn; the poured copper is in the pictures)
/MCU/3V3 on Pwr.Cu: 73.35,2.65 73.35,56.4 0.7,56.4 0.7,30.8 17.5,30.8 17.5,36.3 31,36.3 31,2.65
GND on Gnd.Cu: 0.5,57 76.5,57 76.5,0.5 0.5,0.5

## Text on the board
B.Silkscreen: 3V3 | SCL | SYS | GND | SDA | VBUS
User.Drawings: Battery
F.Silkscreen: Charging | Power Good | Power Reset | Enter | MCU Reset
